# KiCad board Eclipse60.kicad_pcb
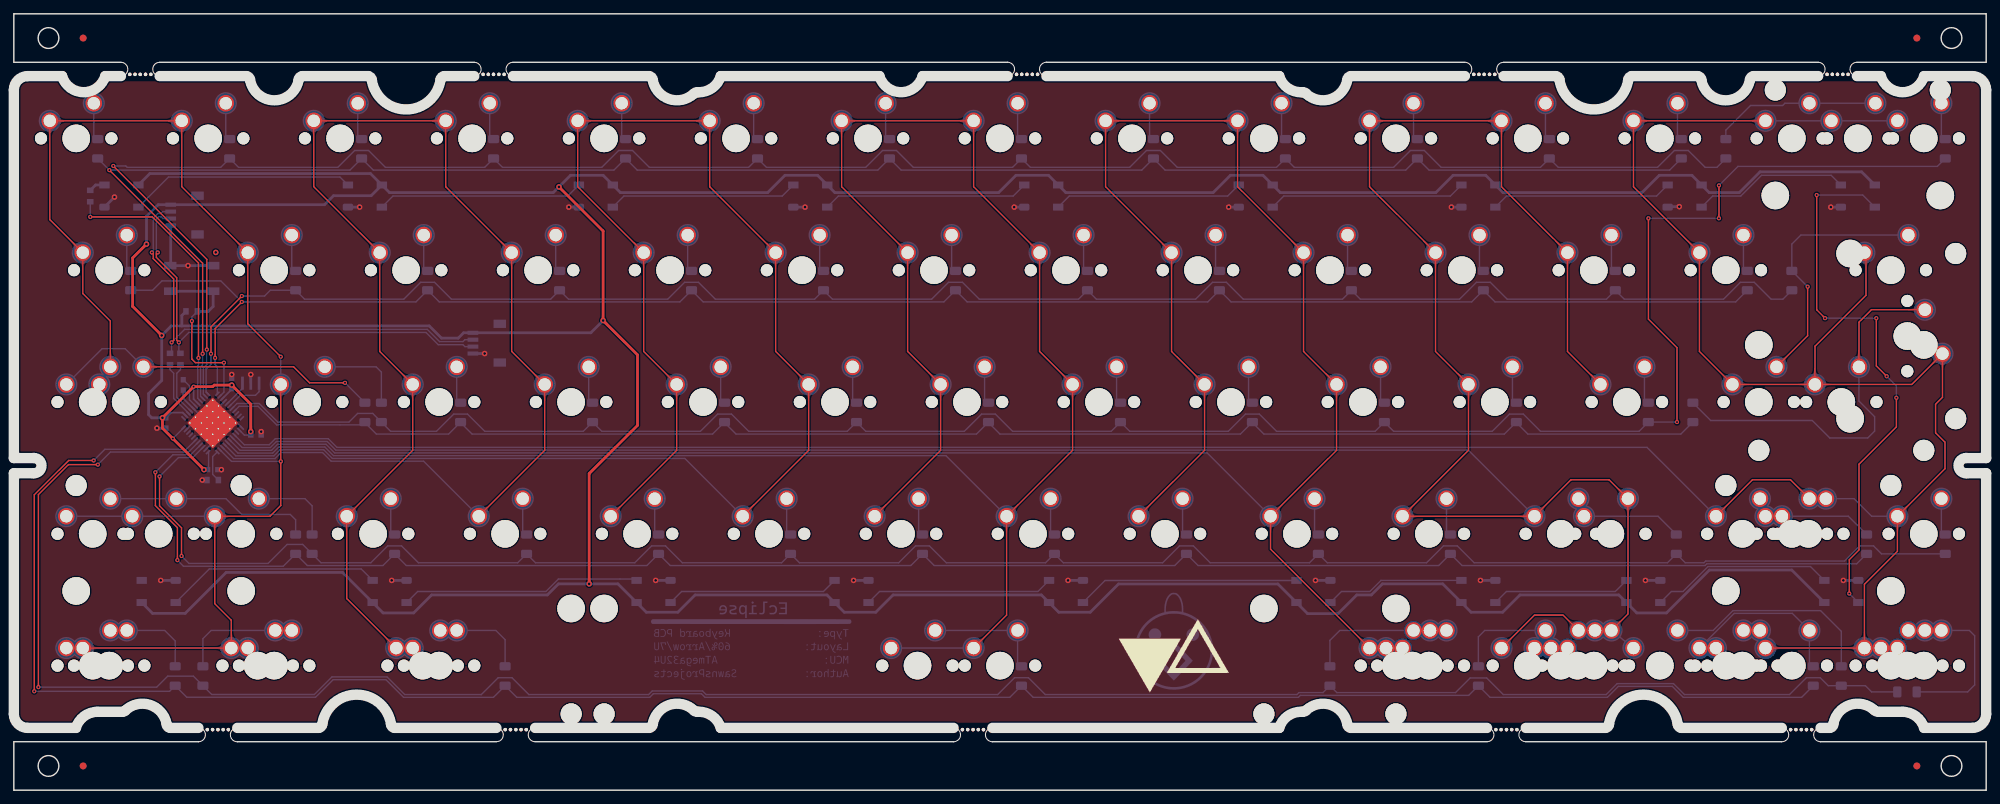
[diagram p0: board, top side]
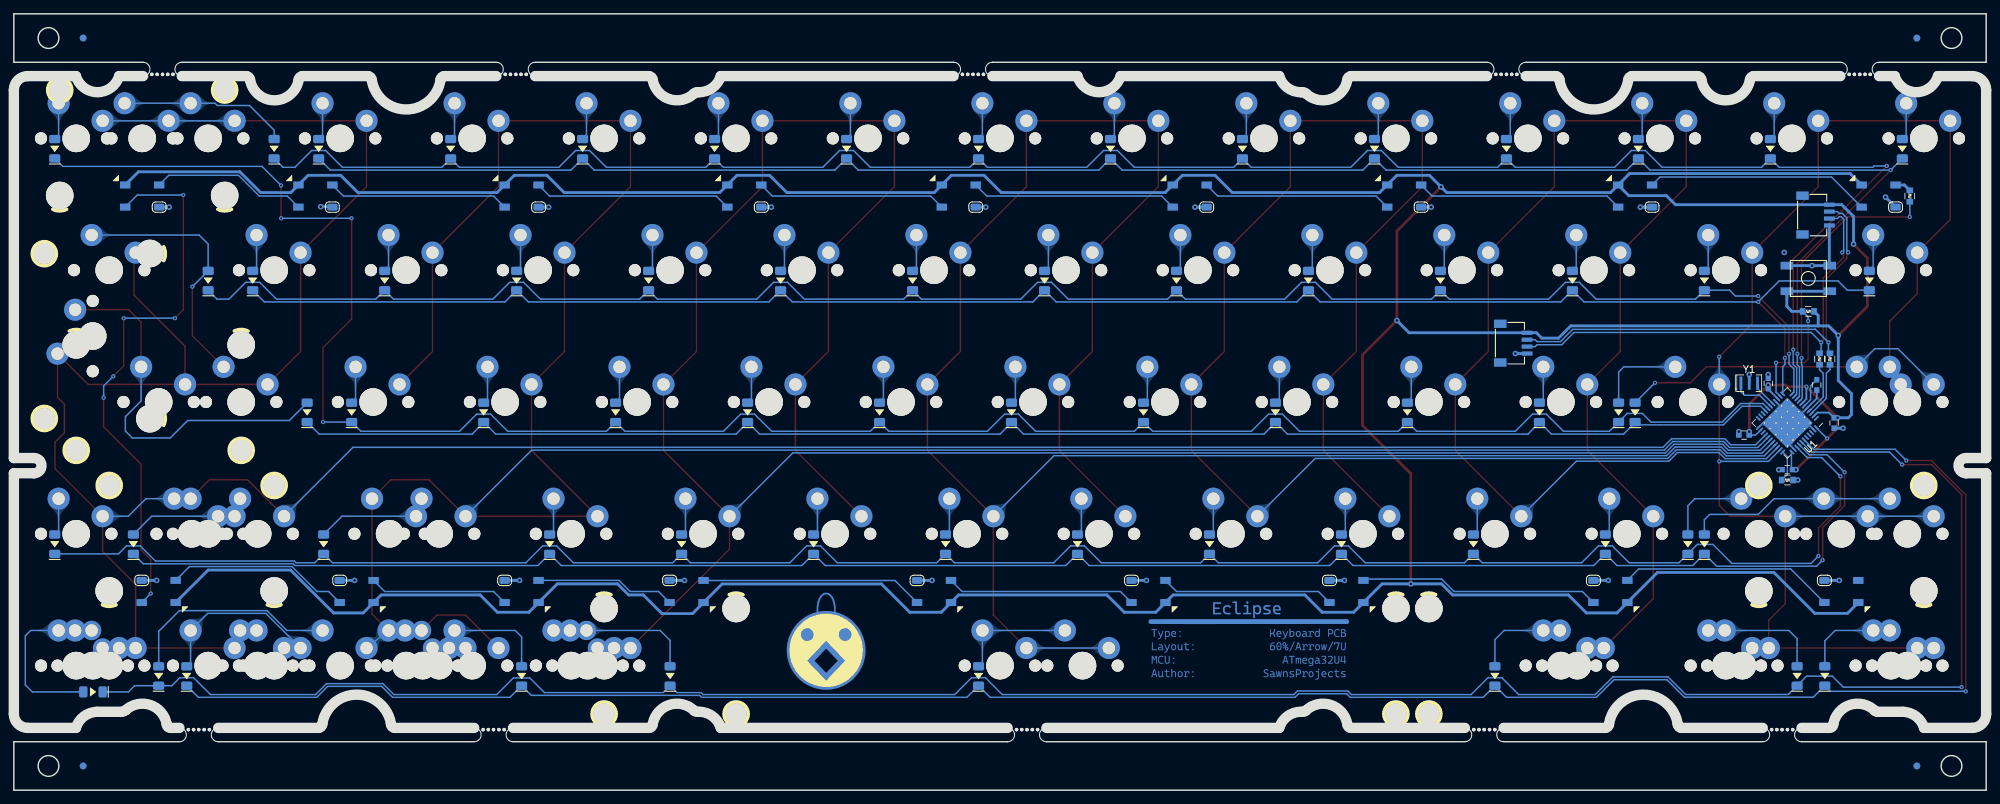
[diagram p1: board, bottom side, seen from below]

Outline 284.7 x 112.2 mm; copper layers: Top, Bottom. Coordinates in mm from the lower left corner of the outline.
Outline path: circle c5,3.5 r1.5 ; circle c5,108.7 r1.5 ; circle c279.7,3.5 r1.5 ; circle c279.7,108.7 r1.5 ; 26.65,7 0,7 0,0 284.7,0 284.7,7 260.8,7 ; 15.45,105.2 0,105.2 0,112.2 284.7,112.2 284.7,105.2 266.05,105.2 ; 15.45,103.2 13.19,103.2 arc(10.08,100.87) 6.96,103.2 2,103.2 arc(0.59,102.61) 0,101.2 0,48 2.89,48 arc(3.99,46.9) 2.89,45.8 0,45.8 0,11 arc(0.59,9.59) 2,9 8.96,9 arc(10.13,10.68) 12.08,11.32 15.65,11.32 arc(15.89,11.37) 16.08,11.5 arc(19.65,12.33) 22.05,9.57 arc(22.22,9.17) 22.62,9 26.65,9 ; 32.25,9 43.97,9 arc(44.36,9.16) 44.52,9.56 arc(49.48,13.8) 54.44,9.56 arc(54.6,9.16) 55,9 69.65,9 ; 21.05,103.2 33.53,103.2 arc(33.93,103.03) 34.1,102.63 arc(37.6,99.7) 41.1,102.63 arc(41.27,103.03) 41.67,103.2 51.1,103.2 arc(51.5,103.03) 51.67,102.63 arc(56.63,98.38) 61.58,102.63 arc(61.75,103.03) 62.16,103.2 66.45,103.2 ; 66.45,105.2 21.05,105.2 ; 69.65,7 32.25,7 ; 72.05,105.2 143.45,105.2 ; 75.25,9 91.65,9 arc(92.06,9.17) 92.23,9.57 ; 72.05,103.2 91.65,103.2 arc(92.06,103.03) 92.23,102.63 arc(94.59,99.88) 98.14,100.64 arc(98.39,100.81) 98.7,100.87 98.93,100.87 arc(100.87,101.52) 102.04,103.2 124.95,103.2 arc(128.06,100.87) 131.18,103.2 143.45,103.2 ; 92.23,9.57 arc(94.61,12.32) 98.17,11.52 arc(98.39,11.38) 98.66,11.32 98.93,11.32 arc(100.87,10.68) 102.04,9 135.65,9 ; 135.65,7 75.25,7 ; 141.25,9 182.66,9 arc(183.83,10.68) 185.78,11.32 186.04,11.32 arc(186.31,11.38) 186.53,11.53 arc(190.09,12.32) 192.48,9.57 arc(192.64,9.17) 193.05,9 212.65,9 ; 149.05,105.2 209.45,105.2 ; 149.05,103.2 182.66,103.2 arc(183.83,101.52) 185.78,100.87 186.03,100.87 arc(186.31,100.82) 186.54,100.66 arc(190.09,99.88) 192.48,102.63 arc(192.64,103.03) 193.05,103.2 209.45,103.2 ; 212.65,7 141.25,7 ; 215.05,105.2 260.45,105.2 ; 218.25,9 229.7,9 arc(230.1,9.16) 230.26,9.56 arc(235.22,13.8) 240.18,9.56 arc(240.34,9.16) 240.73,9 255.2,9 ; 218.25,7 255.2,7 ; 215.05,103.2 222.55,103.2 arc(222.95,103.03) 223.12,102.63 arc(228.08,98.38) 233.03,102.63 arc(233.2,103.03) 233.61,103.2 243.03,103.2 arc(243.43,103.03) 243.6,102.63 arc(247.1,99.7) 250.6,102.63 arc(250.77,103.03) 251.17,103.2 260.45,103.2 ; 260.8,9 262.08,9 arc(262.48,9.17) 262.65,9.57 arc(264.99,12.31) 268.52,11.59 arc(268.82,11.39) 269.17,11.32 272.63,11.32 arc(274.57,10.68) 275.74,9 282.7,9 arc(284.11,9.59) 284.7,11 284.7,45.8 281.81,45.8 arc(280.71,46.9) 281.81,48 284.7,48 284.7,101.2 arc(284.11,102.61) 282.7,103.2 275.74,103.2 arc(272.63,100.87) 269.51,103.2 266.05,103.2

## Placement (name value [footprint] x y rotation side)
C1  1uF  [C_0603]  24.45 58.57 270 bottom
C2  10uF  [C_0603]  21.95 53.07 90 bottom
C3  0.1uF  [C_0603]  34.95 51.32 180 bottom
C4  0.1uF  [C_0603]  28.7 46.32 180 bottom
C5  0.1uF  [C_0603]  31.45 58.79 270 bottom
D1  1N4148W  [DIODE_1206_SawnsProjects]  12.1 92.7 90 bottom
D2  1N4148W  [DIODE_1206_SawnsProjects]  31.15 92.7 90 bottom
D3  1N4148W  [DIODE_1206_SawnsProjects]  50.2 92.7 90 bottom
D4  1N4148W  [DIODE_1206_SawnsProjects]  69.25 92.7 90 bottom
D5  1N4148W  [DIODE_1206_SawnsProjects]  88.3 92.7 90 bottom
D6  1N4148W  [DIODE_1206_SawnsProjects]  107.35 92.7 90 bottom
D7  1N4148W  [DIODE_1206_SawnsProjects]  126.4 92.7 90 bottom
D8  1N4148W  [DIODE_1206_SawnsProjects]  145.45 92.7 90 bottom
D9  1N4148W  [DIODE_1206_SawnsProjects]  164.5 92.7 90 bottom
D10  1N4148W  [DIODE_1206_SawnsProjects]  183.55 92.7 90 bottom
D11  1N4148W  [DIODE_1206_SawnsProjects]  202.6 92.7 90 bottom
D12  1N4148W  [DIODE_1206_SawnsProjects]  221.65 92.7 90 bottom
D13  1N4148W  [DIODE_1206_SawnsProjects]  240.7 92.7 90 bottom
D14  1N4148W  [DIODE_1206_SawnsProjects]  247.13 92.7 90 bottom
D15  1N4148W  [DIODE_1206_SawnsProjects]  278.8 92.7 90 bottom
D16  1N4148W  [DIODE_1206_SawnsProjects]  189.98 16.5 90 bottom
D17  1N4148W  [DIODE_1206_SawnsProjects]  16.86 73.65 90 bottom
D18  1N4148W  [DIODE_1206_SawnsProjects]  40.67 73.65 90 bottom
D19  1N4148W  [DIODE_1206_SawnsProjects]  59.72 73.65 90 bottom
D20  1N4148W  [DIODE_1206_SawnsProjects]  78.77 73.65 90 bottom
D21  1N4148W  [DIODE_1206_SawnsProjects]  97.82 73.65 90 bottom
D22  1N4148W  [DIODE_1206_SawnsProjects]  116.87 73.65 90 bottom
D23  1N4148W  [DIODE_1206_SawnsProjects]  135.92 73.65 90 bottom
D24  1N4148W  [DIODE_1206_SawnsProjects]  154.97 73.65 90 bottom
D25  1N4148W  [DIODE_1206_SawnsProjects]  174.02 73.65 90 bottom
D26  1N4148W  [DIODE_1206_SawnsProjects]  193.07 73.65 90 bottom
D27  1N4148W  [DIODE_1206_SawnsProjects]  212.12 73.65 90 bottom
D28  1N4148W  [DIODE_1206_SawnsProjects]  231.17 73.65 90 bottom
D29  1N4148W  [DIODE_1206_SawnsProjects]  250.22 73.65 90 bottom
D30  1N4148W  [DIODE_1206_SawnsProjects]  256.65 73.65 90 bottom
D33  1N4148W  [DIODE_1206_SawnsProjects]  50.67 54.6 90 bottom
D34  1N4148W  [DIODE_1206_SawnsProjects]  53.05 54.6 90 bottom
D35  1N4148W  [DIODE_1206_SawnsProjects]  64.49 54.6 90 bottom
D36  1N4148W  [DIODE_1206_SawnsProjects]  83.54 54.6 90 bottom
D37  1N4148W  [DIODE_1206_SawnsProjects]  102.59 54.6 90 bottom
D38  1N4148W  [DIODE_1206_SawnsProjects]  121.64 54.6 90 bottom
D39  1N4148W  [DIODE_1206_SawnsProjects]  140.69 54.6 90 bottom
D40  1N4148W  [DIODE_1206_SawnsProjects]  159.74 54.6 90 bottom
D41  1N4148W  [DIODE_1206_SawnsProjects]  178.79 54.6 90 bottom
D42  1N4148W  [DIODE_1206_SawnsProjects]  197.84 54.6 90 bottom
D43  1N4148W  [DIODE_1206_SawnsProjects]  216.89 54.6 90 bottom
D44  1N4148W  [DIODE_1206_SawnsProjects]  235.94 54.6 90 bottom
D45  1N4148W  [DIODE_1206_SawnsProjects]  242.36 54.6 90 bottom
D49  1N4148W  [DIODE_1206_SawnsProjects]  40.67 35.55 90 bottom
D50  1N4148W  [DIODE_1206_SawnsProjects]  43.06 35.55 90 bottom
D51  1N4148W  [DIODE_1206_SawnsProjects]  54.96 35.55 90 bottom
D52  1N4148W  [DIODE_1206_SawnsProjects]  74.01 35.55 90 bottom
D53  1N4148W  [DIODE_1206_SawnsProjects]  93.06 35.55 90 bottom
D54  1N4148W  [DIODE_1206_SawnsProjects]  112.11 35.55 90 bottom
D55  1N4148W  [DIODE_1206_SawnsProjects]  131.16 35.55 90 bottom
D56  1N4148W  [DIODE_1206_SawnsProjects]  150.21 35.55 90 bottom
D57  1N4148W  [DIODE_1206_SawnsProjects]  169.26 35.55 90 bottom
D58  1N4148W  [DIODE_1206_SawnsProjects]  188.31 35.55 90 bottom
D59  1N4148W  [DIODE_1206_SawnsProjects]  207.36 35.55 90 bottom
D60  1N4148W  [DIODE_1206_SawnsProjects]  239.98 35.55 90 bottom
D62  1N4148W  [DIODE_1206_SawnsProjects]  267.45 35.55 90 bottom
D63  1N4148W  [DIODE_1206_SawnsProjects]  278.8 35.55 90 bottom
D65  1N4148W  [DIODE_1206_SawnsProjects]  23.29 16.5 90 bottom
D66  1N4148W  [DIODE_1206_SawnsProjects]  27.29 16.5 90 bottom
D67  1N4148W  [DIODE_1206_SawnsProjects]  70.91 16.5 90 bottom
D68  1N4148W  [DIODE_1206_SawnsProjects]  211.41 16.5 90 bottom
D69  1N4148W  [DIODE_1206_SawnsProjects]  145.45 16.5 90 bottom
D70  1N4148W  [DIODE_1206_SawnsProjects]  263.79 16.5 90 bottom
D71  1N4148W  [DIODE_1206_SawnsProjects]  259.75 16.5 90 bottom
D72  1N4148W  [DIODE_1206_SawnsProjects]  273.28 14.2 0 bottom
G***  LOGO  [SalaneReboot]  167.44 19.42 0 top
G***#2  LOGO  [gaf]  106.5 20.1 0 top
G***#3  LOGO  [wattermaskCu]  106.44 21.56 180 bottom
G***#4  LOGO  [wattermask]  106.44 21.56 180 bottom
G***#5  LOGO  [a]  167.44 21.42 180 bottom
G***#6  LOGO  [b]  167.44 21.42 180 bottom
G***#7  LOGO  [c]  167.44 21.42 180 bottom
J1  Daughterboard  [JST-SR-4]  71.04 64.6 270 bottom
J2  Daughterboard  [JST-SR-4]  27.41 83.12 270 bottom
mouse-bite-3mm-slot  VAL**  [mouse-bite-3mm-1slot]  263.25 104.2 0 top
mouse-bite-3mm-slot#2  VAL**  [mouse-bite-3mm-1slot]  69.25 104.2 0 top
mouse-bite-3mm-slot#3  VAL**  [mouse-bite-3mm-1slot]  18.25 104.2 0 top
mouse-bite-3mm-slot#4  VAL**  [mouse-bite-3mm-1slot]  146.25 104.2 0 top
mouse-bite-3mm-slot#5  VAL**  [mouse-bite-3mm-1slot]  212.25 104.2 0 top
mouse-bite-3mm-slot#6  VAL**  [mouse-bite-3mm-1slot]  29.45 8 180 top
mouse-bite-3mm-slot#7  VAL**  [mouse-bite-3mm-1slot]  215.45 8 180 top
mouse-bite-3mm-slot#8  VAL**  [mouse-bite-3mm-1slot]  72.45 8 180 top
mouse-bite-3mm-slot#9  VAL**  [mouse-bite-3mm-1slot]  138.45 8 180 top
mouse-bite-3mm-slot#10  VAL**  [mouse-bite-3mm-1slot]  258 8 180 top
MX1  1U  [MXOnly-1U-NoLED]  9 94.2 0 top
MX2  1U  [MXOnly-1U-NoLED]  28.05 94.2 0 top
MX3  1U  [MXOnly-1U-NoLED]  47.1 94.2 0 top
MX4  1U  [MXOnly-1U-NoLED]  66.15 94.2 0 top
MX5  1U  [MXOnly-1U-NoLED]  85.2 94.2 0 top
MX6  1U  [MXOnly-1U-NoLED]  104.25 94.2 0 top
MX7  1U  [MXOnly-1U-NoLED]  123.3 94.2 0 top
MX8  1U  [MXOnly-1U-NoLED]  142.35 94.2 0 top
MX9  1U  [MXOnly-1U-NoLED]  161.4 94.2 0 top
MX10  1U  [MXOnly-1U-NoLED]  180.45 94.2 0 top
MX11  1U  [MXOnly-1U-NoLED]  199.5 94.2 0 top
MX12  1U  [MXOnly-1U-NoLED]  218.55 94.2 0 top
MX13  1U  [MXOnly-1U-NoLED]  237.6 94.2 0 top
MX14  1U  [MXOnly-1U-NoLED]  256.65 94.2 0 top
MX15  1U  [MXOnly-1U-NoLED]  275.7 94.2 0 top
MX16  1U  [MXOnly-1U-NoLED]  199.5 18 0 top
MX17  1.5U  [MXOnly-1.5U-NoLED]  13.76 75.15 0 top
MX18  1U  [MXOnly-1U-NoLED]  37.58 75.15 0 top
MX19  1U  [MXOnly-1U-NoLED]  56.63 75.15 0 top
MX20  1U  [MXOnly-1U-NoLED]  75.68 75.15 0 top
MX21  1U  [MXOnly-1U-NoLED]  94.73 75.15 0 top
MX22  1U  [MXOnly-1U-NoLED]  113.78 75.15 0 top
MX23  1U  [MXOnly-1U-NoLED]  132.83 75.15 0 top
MX24  1U  [MXOnly-1U-NoLED]  151.88 75.15 0 top
MX25  1U  [MXOnly-1U-NoLED]  170.93 75.15 0 top
MX26  1U  [MXOnly-1U-NoLED]  189.98 75.15 0 top
MX27  1U  [MXOnly-1U-NoLED]  209.03 75.15 0 top
MX28  1U  [MXOnly-1U-NoLED]  228.08 75.15 0 top
MX29  1U  [MXOnly-1U-NoLED]  247.13 75.15 0 top
MX30  1.5U  [MXOnly-1.5U-NoLED]  270.94 75.15 0 top
MX31  2.25U  [MXOnly-2.25U-NoLED]  20.91 37.05 0 top
MX32  1U  [MXOnly-1U-NoLED]  218.55 18 0 top
MX33  1.75U  [MXOnly-1.75U-NoLED]  16.14 56.1 0 top
MX34  1U  [MXOnly-1U-NoLED]  42.34 56.1 0 top
MX35  1U  [MXOnly-1U-NoLED]  61.39 56.1 0 top
MX36  1U  [MXOnly-1U-NoLED]  80.44 56.1 0 top
MX37  1U  [MXOnly-1U-NoLED]  99.49 56.1 0 top
MX38  1U  [MXOnly-1U-NoLED]  118.54 56.1 0 top
MX39  1U  [MXOnly-1U-NoLED]  137.59 56.1 0 top
MX40  1U  [MXOnly-1U-NoLED]  156.64 56.1 0 top
MX41  1U  [MXOnly-1U-NoLED]  175.69 56.1 0 top
MX42  1U  [MXOnly-1U-NoLED]  194.74 56.1 0 top
MX43  1U  [MXOnly-1U-NoLED]  213.79 56.1 0 top
MX44  1U  [MXOnly-1U-NoLED]  232.84 56.1 0 top
MX45  2.25U  [MXOnly-2.25U-ReversedStabilizers-NoLED]  263.79 56.1 0 top
MX46  1U  [MXOnly-2U-NoLED]  266.18 94.2 0 top
MX47  1.75U  [MXOnly-1.75U-NoLED]  230.46 37.05 0 top
MX48  1U  [MXOnly-1U-NoLED]  237.6 18 0 top
MX49  1.25U  [MXOnly-1.25U-NoLED]  11.38 37.05 0 top
MX50  1U  [MXOnly-1U-NoLED]  32.81 37.05 0 top
MX51  1U  [MXOnly-1U-NoLED]  51.86 37.05 0 top
MX52  1U  [MXOnly-1U-NoLED]  70.91 37.05 0 top
MX53  1U  [MXOnly-1U-NoLED]  89.96 37.05 0 top
MX54  1U  [MXOnly-1U-NoLED]  109.01 37.05 0 top
MX55  1U  [MXOnly-1U-NoLED]  128.06 37.05 0 top
MX56  1U  [MXOnly-1U-NoLED]  147.11 37.05 0 top
MX57  1U  [MXOnly-1U-NoLED]  166.16 37.05 0 top
MX58  1U  [MXOnly-1U-NoLED]  185.21 37.05 0 top
MX59  1U  [MXOnly-1U-NoLED]  204.26 37.05 0 top
MX60  1U  [MXOnly-1U-NoLED]  223.31 37.05 0 top
MX61  1.5U  [MXOnly-1.5U-NoLED]  223.31 18 0 top
MX62  1.75U  [MXOnly-1.75U-NoLED]  249.51 37.05 0 top
MX63  1U  [MXOnly-1U-NoLED]  275.7 37.05 0 top
MX64  1.25U  [MXOnly-1.25U-NoLED]  201.88 18 0 top
MX65  1.25U  [MXOnly-1.25U-NoLED]  11.38 56.1 0 top
MX66  1.25U  [MXOnly-1.25U-NoLED]  11.38 18 0 top
MX67  1.25U  [MXOnly-1.25U-NoLED]  35.19 18 0 top
MX68  1.25U  [MXOnly-1.25U-NoLED]  59.01 18 0 top
MX69  1.25U  [MXOnly-1.25U-NoLED]  225.69 18 0 top
MX70  6.25U  [MXOnly-6.25U-ReversedStabilizers-NoLED]  130.44 18 0 top
MX71  1.25U  [MXOnly-1.25U-NoLED]  249.51 18 0 top
MX72  1U  [MXOnly-1U-NoLED]  256.65 18 0 top
MX73  1U  [MXOnly-1U-NoLED]  275.7 18 0 top
MX74  1.25U  [MXOnly-1.25U-NoLED]  273.32 18 0 top
MX75  1U  [MXOnly-1U-NoLED]  256.65 37.05 0 top
MX76  2.75U  [MXOnly-2.75U-NoLED]  259.03 37.05 0 top
MX77  1U  [MXOnly-1U-NoLED]  247.13 18 0 top
MX78  1.5U  [MXOnly-1.5U-NoLED]  270.94 18 0 top
MX79  7U  [MXOnly-7U-ReversedStabilizers-NoLED]  142.35 18 0 top
MX80  1.5U  [MXOnly-1.5U-NoLED]  13.76 18 0 top
MX81  1.5U  [MXOnly-1.5U-NoLED]  61.39 18 0 top
MX82  1U  [MXOnly-1U-NoLED]  37.58 18 0 top
MX83  1U  [MXOnly-1U-NoLED]  251.89 56.1 0 top
MX84  ISO  [MXOnly-ISO-ROTATED-ReversedStabilizers-NoLED]  273.32 65.62 0 top
MX86  1.5U  [MXOnly-1.5U-NoLED]  204.26 18 0 top
MX87  1U  [MXOnly-1U-NoLED]  228.08 18 0 top
R1  10k  [R_0603]  28.7 44.82 0 bottom
R2  22R  [R_0603]  24.04 62.32 90 bottom
R3  22R  [R_0603]  22.54 62.32 270 bottom
R4  10k  [R_0603]  25.67 69.2 0 bottom
R5  300R  [R_0603]  11.03 85.87 90 bottom
REF**  1mm origin reel  [OriginPoint]  10 108.7 0 top
REF**#2  1mm origin reel  [OriginPoint]  274.7 108.7 180 top
REF**#3  1mm origin reel  [OriginPoint]  274.7 3.5 180 top
REF**#4  1mm origin reel  [OriginPoint]  10 3.5 0 top
RGB1  WS2812B  [LED_WS2812B_PLCC4_5.0x5.0mm_P3.2mm]  15.53 85.87 180 bottom
RGB2  WS2812B  [LED_WS2812B_PLCC4_5.0x5.0mm_P3.2mm]  50.67 85.87 180 bottom
RGB3  WS2812B  [LED_WS2812B_PLCC4_5.0x5.0mm_P3.2mm]  84.01 85.87 180 bottom
RGB4  WS2812B  [LED_WS2812B_PLCC4_5.0x5.0mm_P3.2mm]  114.97 85.87 180 bottom
RGB5  WS2812B  [LED_WS2812B_PLCC4_5.0x5.0mm_P3.2mm]  148.3 85.87 180 bottom
RGB6  WS2812B  [LED_WS2812B_PLCC4_5.0x5.0mm_P3.2mm]  179.26 85.87 180 bottom
RGB7  WS2812B  [LED_WS2812B_PLCC4_5.0x5.0mm_P3.2mm]  211.41 85.87 180 bottom
RGB8  WS2812B  [LED_WS2812B_PLCC4_5.0x5.0mm_P3.2mm]  241.17 85.87 180 bottom
RGB9  WS2812B  [LED_WS2812B_PLCC4_5.0x5.0mm_P3.2mm]  266.18 85.87 180 bottom
RGB10  WS2812B  [LED_WS2812B_PLCC4_5.0x5.0mm_P3.2mm]  20.91 28.72 0 bottom
RGB11  WS2812B  [LED_WS2812B_PLCC4_5.0x5.0mm_P3.2mm]  54.24 28.72 0 bottom
RGB12  WS2812B  [LED_WS2812B_PLCC4_5.0x5.0mm_P3.2mm]  92.34 28.72 0 bottom
RGB13  WS2812B  [LED_WS2812B_PLCC4_5.0x5.0mm_P3.2mm]  120.92 28.72 0 bottom
RGB14  WS2812B  [LED_WS2812B_PLCC4_5.0x5.0mm_P3.2mm]  151.88 28.72 0 bottom
RGB15  WS2812B  [LED_WS2812B_PLCC4_5.0x5.0mm_P3.2mm]  187.59 28.72 0 bottom
RGB16  WS2812B  [LED_WS2812B_PLCC4_5.0x5.0mm_P3.2mm]  211.41 28.72 0 bottom
RGB17  WS2812B  [LED_WS2812B_PLCC4_5.0x5.0mm_P3.2mm]  235.22 28.72 0 bottom
RGB18  WS2812B  [LED_WS2812B_PLCC4_5.0x5.0mm_P3.2mm]  263.79 28.72 0 bottom
SW1  SW_Push  [SKQG-1155865-fix]  25.67 73.96 0 bottom
U1  ATmega32U4-MU  [QFN-44-1EP_7x7mm_P0.5mm_EP5.15x5.15mm_ThermalVias]  28.7 53.07 315 bottom
Y1  16MHz  [Resonator_SMD_muRata_CSTxExxV-3Pin_3.0x1.1mm]  34.2 58.82 180 bottom

## Footprints (pads in the part's own frame, mm; a bottom-side part is the same pattern mirrored in y, then rotated)
C_0603
  rect 0.8x0.75 smd: 1(-0.75,0) 2(0.75,0)
DIODE_1206_SawnsProjects
  rrect 1.2x1.6 smd: 1(-1.4,0) 2(1.4,0)
JST-SR-4
  rect 1.2x1.8 smd: (-2.8,0.9) (2.8,0.9)
  rect 0.6x1.55 smd: 1(-1.5,4.775) 2(-0.5,4.775) 3(0.5,4.775) 4(1.5,4.775)
LED_WS2812B_PLCC4_5.0x5.0mm_P3.2mm
  rect 1.5x1 smd: 1(-2.45,1.6) 2(-2.45,-1.6) 4(2.45,1.6)
  rrect 1.5x1 smd: 3(2.45,-1.6)
mouse-bite-3mm-1slot
  round 0.5 hole 0.5 unplated: (-1.512,-0.75) (-0.762,-0.75) (-0.012,-0.75) (0.762,-0.75) (1.524,-0.75)
MXOnly-1.5U-NoLED
  round 1.75 hole 1.75 unplated: (-5.08,0) (5.08,0)
  round 2.8 smd: (-3.81,2.54) (2.54,5.08)
  round 3.988 hole 3.988 unplated: (0,0)
  round 1 smd: (3.099,0)
  round 2.4 hole 1.8: 1(-3.81,2.54) 2(2.54,5.08)
  round 3.2 smd far side: 1(-3.81,2.54) 2(2.54,5.08)
MXOnly-1.25U-NoLED
  round 1.75 hole 1.75 unplated: (-5.08,0) (5.08,0)
  round 2.8 smd: (-3.81,2.54) (2.54,5.08)
  round 3.988 hole 3.988 unplated: (0,0)
  round 1 smd: (3.099,0)
  round 2.4 hole 1.8: 1(-3.81,2.54) 2(2.54,5.08)
  round 3.2 smd far side: 1(-3.81,2.54) 2(2.54,5.08)
MXOnly-1.75U-NoLED
  round 1.75 hole 1.75 unplated: (-5.08,0) (5.08,0)
  round 2.8 smd: (-3.81,2.54) (2.54,5.08)
  round 3.988 hole 3.988 unplated: (0,0)
  round 1 smd: (3.099,0)
  round 2.4 hole 1.8: 1(-3.81,2.54) 2(2.54,5.08)
  round 3.2 smd far side: 1(-3.81,2.54) 2(2.54,5.08)
MXOnly-1U-NoLED
  round 1.75 hole 1.75 unplated: (-5.08,0) (5.08,0)
  round 2.8 smd: (-3.81,2.54) (2.54,5.08)
  round 3.988 hole 3.988 unplated: (0,0)
  round 1 smd: (3.099,0)
  round 2.4 hole 1.8: 1(-3.81,2.54) 2(2.54,5.08)
  round 3.2 smd far side: 1(-3.81,2.54) 2(2.54,5.08)
MXOnly-2.25U-NoLED
  round 3.048 hole 3.048 unplated: (-11.906,6.985) (11.906,6.985)
  round 3.988 hole 3.988 unplated: (-11.906,-8.255) (0,0) (11.906,-8.255)
  round 1.75 hole 1.75 unplated: (-5.08,0) (5.08,0)
  round 2.8 smd: (-3.81,2.54) (2.54,5.08)
  round 1 smd: (3.099,0)
  round 2.4 hole 1.8: 1(-3.81,2.54) 2(2.54,5.08)
  round 3.2 smd far side: 1(-3.81,2.54) 2(2.54,5.08)
MXOnly-2.25U-ReversedStabilizers-NoLED
  round 3.988 hole 3.988 unplated: (-11.906,8.255) (0,0) (11.906,8.255)
  round 3.048 hole 3.048 unplated: (-11.906,-6.985) (11.906,-6.985)
  round 1.75 hole 1.75 unplated: (-5.08,0) (5.08,0)
  round 2.8 smd: (-3.81,2.54) (2.54,5.08)
  round 1 smd: (3.099,0)
  round 2.4 hole 1.8: 1(-3.81,2.54) 2(2.54,5.08)
  round 3.2 smd far side: 1(-3.81,2.54) 2(2.54,5.08)
MXOnly-2.75U-NoLED
  round 3.048 hole 3.048 unplated: (-11.906,6.985) (11.906,6.985)
  round 3.988 hole 3.988 unplated: (-11.906,-8.255) (0,0) (11.906,-8.255)
  round 1.75 hole 1.75 unplated: (-5.08,0) (5.08,0)
  round 2.8 smd: (-3.81,2.54) (2.54,5.08)
  round 1 smd: (3.099,0)
  round 2.4 hole 1.8: 1(-3.81,2.54) 2(2.54,5.08)
  round 3.2 smd far side: 1(-3.81,2.54) 2(2.54,5.08)
MXOnly-2U-NoLED
  round 3.048 hole 3.048 unplated: (-11.906,6.985) (11.906,6.985)
  round 3.988 hole 3.988 unplated: (-11.906,-8.255) (0,0) (11.906,-8.255)
  round 1.75 hole 1.75 unplated: (-5.08,0) (5.08,0)
  round 2.8 smd: (-3.81,2.54) (2.54,5.08)
  round 1 smd: (3.099,0)
  round 2.4 hole 1.8: 1(-3.81,2.54) 2(2.54,5.08)
  round 3.2 smd far side: 1(-3.81,2.54) 2(2.54,5.08)
MXOnly-6.25U-ReversedStabilizers-NoLED
  round 3.988 hole 3.988 unplated: (-50,8.255) (0,0) (50,8.255)
  round 3.048 hole 3.048 unplated: (-50,-6.985) (50,-6.985)
  round 1.75 hole 1.75 unplated: (-5.08,0) (5.08,0)
  round 2.8 smd: (-3.81,2.54) (2.54,5.08)
  round 1 smd: (3.099,0)
  round 2.4 hole 1.8: 1(-3.81,2.54) 2(2.54,5.08)
  round 3.2 smd far side: 1(-3.81,2.54) 2(2.54,5.08)
MXOnly-7U-ReversedStabilizers-NoLED
  round 3.988 hole 3.988 unplated: (-57.15,8.255) (0,0) (57.15,8.255)
  round 3.048 hole 3.048 unplated: (-57.15,-6.985) (57.15,-6.985)
  round 1.75 hole 1.75 unplated: (-5.08,0) (5.08,0)
  round 2.8 smd: (-3.81,2.54) (2.54,5.08)
  round 1 smd: (3.099,0)
  round 2.4 hole 1.8: 1(-3.81,2.54) 2(2.54,5.08)
  round 3.2 smd far side: 1(-3.81,2.54) 2(2.54,5.08)
MXOnly-ISO-ROTATED-ReversedStabilizers-NoLED
  round 3.988 hole 3.988 unplated: (-8.255,11.938) (-8.255,-11.938) (0,0)
  round 1.75 hole 1.75 unplated: (0,5.08) (0,-5.08)
  round 1 smd: (0,-3.099)
  round 2.8 smd: (2.54,3.81) (5.08,-2.54)
  round 3.048 hole 3.048 unplated: (6.985,11.938) (6.985,-11.938)
  round 2.4 hole 1.8: 1(2.54,3.81) 2(5.08,-2.54)
  round 3.2 smd far side: 1(2.54,3.81) 2(5.08,-2.54)
OriginPoint
  round 1 smd: (0,0)
  round 1 smd far side: (0,0)
  round 3 smd: (0,0) (0,0)
QFN-44-1EP_7x7mm_P0.5mm_EP5.15x5.15mm_ThermalVias
  rrect 0.997x0.997 smd: (-1.744,-1.744) (-1.744,-0.581) (-1.744,0.581) (-1.744,1.744) (-0.581,-1.744) (-0.581,-0.581) (-0.581,0.581) (-0.581,1.744) (0.581,-1.744) (0.581,-0.581) (0.581,0.581) (0.581,1.744) (1.744,-1.744) (1.744,-0.581) (1.744,0.581) (1.744,1.744)
  rrect 0.875x0.25 smd: 1(-3.438,2.5) 2(-3.438,2) 3(-3.438,1.5) 4(-3.438,1) 5(-3.438,0.5) 6(-3.438,0) 7(-3.438,-0.5) 8(-3.438,-1) 9(-3.438,-1.5) 10(-3.438,-2) 11(-3.438,-2.5) 23(3.438,-2.5) 24(3.438,-2) 25(3.438,-1.5) 26(3.438,-1) 27(3.438,-0.5) 28(3.438,0) 29(3.438,0.5) 30(3.438,1) 31(3.438,1.5) 32(3.438,2) 33(3.438,2.5)
  rrect 0.25x0.875 smd: 12(-2.5,-3.438) 13(-2,-3.438) 14(-1.5,-3.438) 15(-1,-3.438) 16(-0.5,-3.438) 17(0,-3.438) 18(0.5,-3.438) 19(1,-3.438) 20(1.5,-3.438) 21(2,-3.438) 22(2.5,-3.438) 34(2.5,3.438) 35(2,3.438) 36(1.5,3.438) 37(1,3.438) 38(0.5,3.438) 39(0,3.438) 40(-0.5,3.438) 41(-1,3.438) 42(-1.5,3.438) 43(-2,3.438) 44(-2.5,3.438)
  round 0.5 hole 0.2: 45(-2.325,-2.325) 45(-2.325,-1.163) 45(-2.325,0) 45(-2.325,1.163) 45(-2.325,2.325) 45(-1.163,0) 45(-1.163,-2.325) 45(-1.163,-1.163) 45(-1.163,1.163) 45(-1.163,2.325) 45(0,-2.325) 45(0,-1.163) 45(0,0) 45(0,1.163) 45(0,2.325) 45(1.163,-2.325) 45(1.163,-1.163) 45(1.163,1.163) 45(1.163,2.325) 45(1.163,0) 45(2.325,-2.325) 45(2.325,-1.163) 45(2.325,0) 45(2.325,1.163) 45(2.325,2.325)
  rect 5.15x5.15 smd far side: 45(0,0)
  rect 5.15x5.15 smd: 45(0,0)
R_0603
  rect 0.8x0.95 smd: 1(-0.825,0) 2(0.825,0)
Resonator_SMD_muRata_CSTxExxV-3Pin_3.0x1.1mm
  rect 0.4x1.9 smd: 1(-1.2,0) 2(0,0) 3(1.2,0)
SKQG-1155865-fix
  rect 1.8x1.1 smd: 1(-3.1,-1.85) 1(3.1,-1.85) 2(-3.1,1.85) 2(3.1,1.85)
